# Altium PCB RHR075_GFC_ECAT_DNET_RS485_ALL_rev5.PcbDoc (part 3 of 4) (continued)
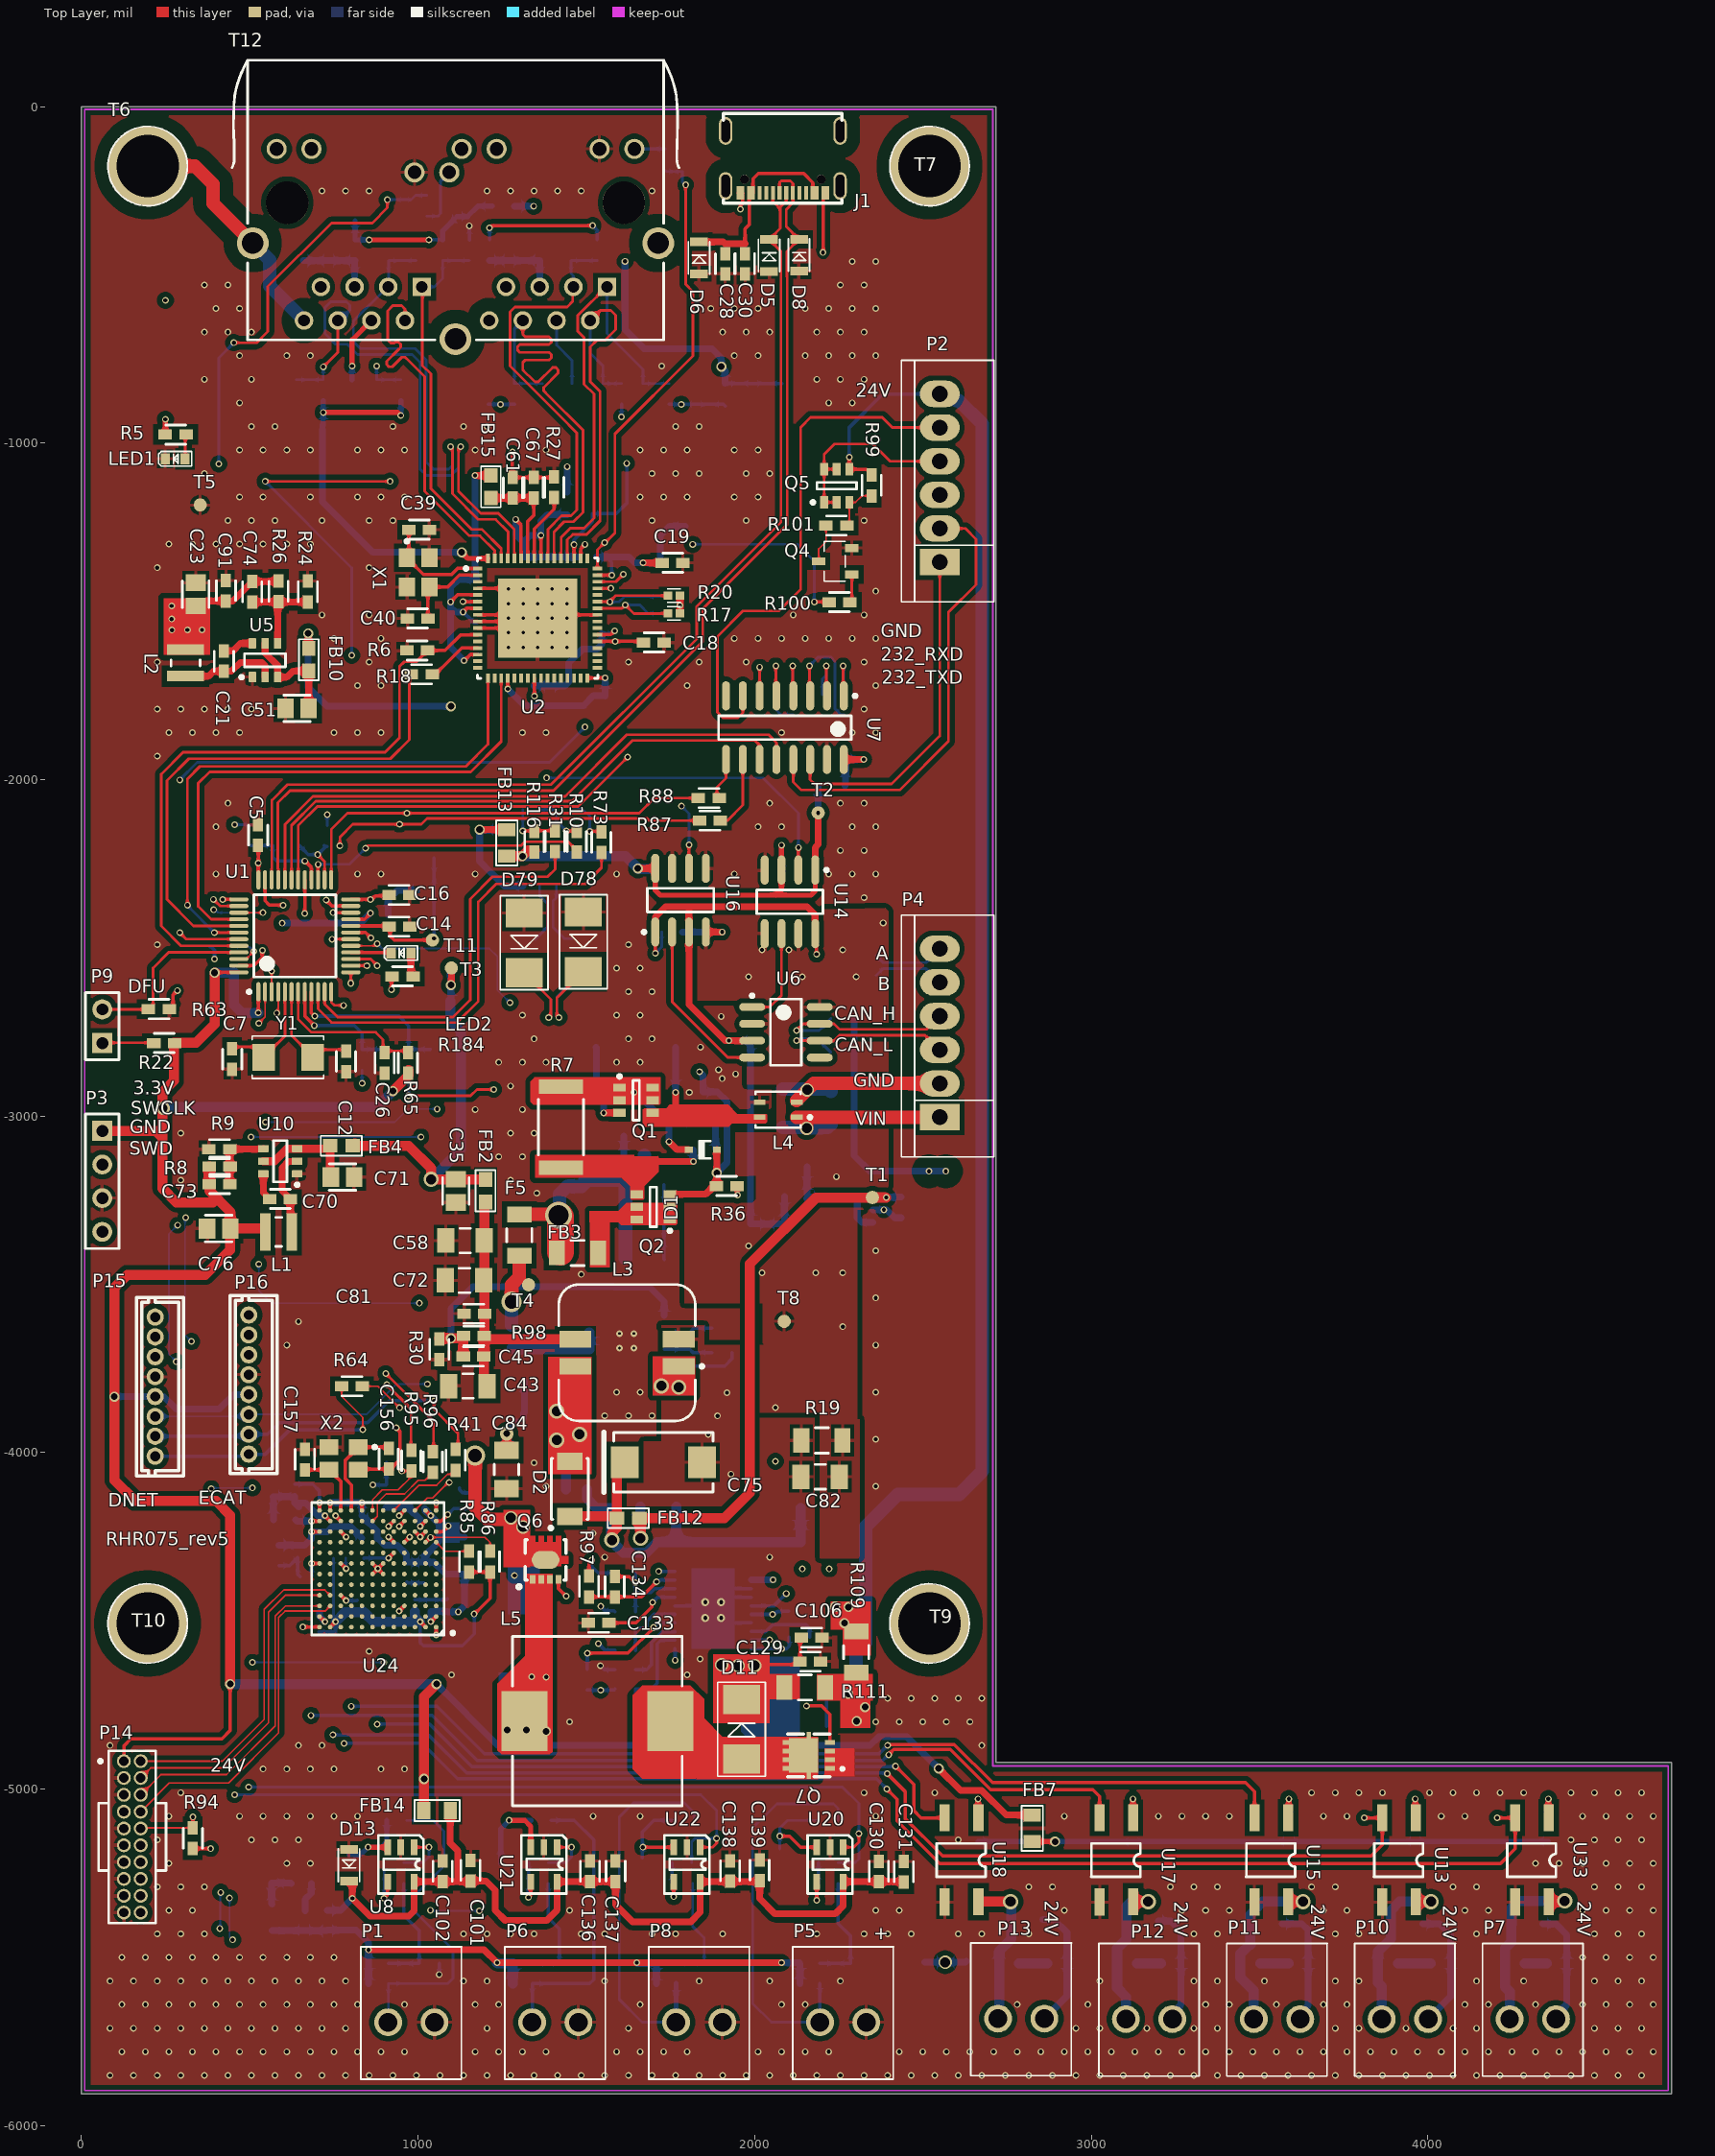
[diagram p0: Top Layer view]
## Nets (pads, with @x,y where several pads share a name; then routed paths per layer and width w, separated by ;. In a path a pad name is that pad's centre, name@x,y a point inside that pad or via, vN(x,y) a via of type N, cw(c..) or ccw(c..) an arc to the next point about the centre after c; other vN are vias at no path point) (continued)
  Bottom Layer w40: T12.S3@509.09,-405.99 559,-455.89 559,-533.45 T12.B8@661.46,-635.91
  other v1: 2518,-3164
ECAT_3.3V: C18.1 C19.1 C20.1 C22.1 C23.1 C52.1 C56.1 C74.1 C77.1 C78.1 C91.1 FB15.1 L2.2 R17.2 R20.2 R26.2 U2.5 U2.7 U2.14 U2.20 U2.32 U2.37 U2.47 U3.8 | length 3892.7
  Top Layer w10: v1(1097,-1472) 1117.74,-1451.26 1177.61,-1451.26 U2.5@1177.92,-1451.57 ; v1(1134,-1502) 1145.06,-1490.94 U2.7@1177.92,-1490.94 ; v1(1137,-1647) 1155.26,-1628.74 U2.14@1177.92,-1628.74 ; v1(1266.9,-1730.9) U2.20@1266.9,-1698.03 ; U2.32@1503.12,-1698.03 v1(1556.03,-1698.03) ; U2.37@1533.04,-1589.37 v1(1586,-1589.37) 1667.39,-1589.37 C18.1@1670.5,-1592.47 ; U2.47@1533.04,-1392.52 v1(1575.48,-1392.52)
  Top Layer w20: C23.1@353.94,-1469.45 C91.1@429.48,-1469.45 449.51,-1469.45 C74.1@507.48,-1411.48 583.48,-1411.48 R26.2@585.48,-1409.48 ; v1(1169.52,-1096.48) FB15.1@1216.48,-1096.48 ; v1(1669,-1356) C19.1@1726.02,-1356 ; R17.2@1778.52,-1506.47 v1(1778.52,-1483) R20.2@1778.52,-1453.47
  Mid-Layer 1 w20: v1(358,-1555) 376,-1555 459,-1472 v1(1097,-1472) ; v1(1137,-1647) 1220.9,-1730.9 v1(1266.9,-1730.9) ; v1(1556.03,-1698.03) 1586,-1668.06 v1(1586,-1589.37) 1672.15,-1589.37 v1(1778.52,-1483) 1778.52,-1465.52 v1(1669,-1356)
  Bottom Layer w10: v1(1134,-1502) 1166.47,-1534.47 C20.1@1175.5,-1534.47 ; v1(1137,-1647) 1157,-1627 C56.1@1180.02,-1627 ; 1566.79,-1345.79 1575.48,-1354.48 v1(1575.48,-1392.52)
  Bottom Layer w20: 1106.5,-1496.5 1112,-1502 v1(1134,-1502) ; v1(1137,-1647) 1097,-1607 v1(1097,-1472) 1097,-1429 1120.53,-1405.47 C77.1@1175.5,-1405.47 1169.52,-1399.49 v1(1169.52,-1096.48) ; v1(1266.9,-1730.9) 1316,-1780 1493,-1780 ; 1493,-1779 1522,-1750 C52.1@1554,-1750 ; C78.1@1530.1,-1338.57 1626.57,-1338.57 1644,-1356 v1(1669,-1356) U3.8@1719.66,-1356 ; C52.1@1556.03,-1751.97 v1(1556.03,-1698.03) ; U3.8@1720.13,-1356.47 1720.13,-1273.87 1746.53,-1247.47 C22.1@1793.5,-1247.47
  other v1: 269,-1556 315,-1555 268,-1523 268,-1484
EESCL: R20.1 U2.43 U3.6 | length 373.4
  Top Layer w8: U2.43@1533.04,-1471.26 1569.26,-1471.26 1587.04,-1453.47 R20.1@1742.46,-1453.47
  Bottom Layer w8: v1(1570,-1472) 1597,-1472 1612.53,-1456.47 U3.6@1720.13,-1456.47
EESDA: R17.1 U2.42 U3.5 | length 338.8
  Top Layer w8: U2.42@1533.04,-1490.94 1533.1,-1491 1606,-1491 v1(1616,-1481) 1641.47,-1506.47 R17.1@1742.46,-1506.47
  Bottom Layer w8: v1(1616,-1481) 1659,-1481 1684.47,-1506.47 U3.5@1720.13,-1506.47
ERR: P16.2 U1.18 | length 1337.6
  Top Layer w8: v1(744.65,-2474.35) U1.18@800.34,-2474.35
  Mid-Layer 1 w8: P16.2@497,-3650.37 501.84,-3650.37 712,-3440.21 712,-2567.65 744.65,-2535 v1(744.65,-2474.35)
  Bottom Layer w8: v1@744.29,-2474 v1(744.65,-2474.35)
GPIO_EXTENDER_INT: P15.6 P16.6 U1.3 | length 2692.3
  Top Layer w5: U1.3@565.1,-2630.85 v1@565.1,-2569.1
  Mid-Layer 1 w5: v1(504,-3062) 504,-2682 565,-2621 v1(565,-2569) ; v1(1009,-3062) 1009,-3095 989,-3115 989,-3304 1027.86,-3342.86 v1(1027.86,-3796.14)
  Bottom Layer w5: P15.6@219,-3892.59 491,-3892.59 P16.6@497,-3886.59 846.41,-3886.59 936.86,-3796.14 v1(1027.86,-3796.14) ; v1(504,-3062) v1(1009,-3062)
GPIO_EXTENDER_INT2: U1.4 U24.C4 | length 2572.4
  Top Layer w5: v1(580,-2694) 584.79,-2689.21 U1.4@584.79,-2630.85
  Top Layer w10: v4(943.73,-4471.24) U24.C4@959.48,-4455.5
  Mid-Layer 1 w5: v1(547,-3018) 547,-2727 v1(580,-2694) ; v4(943.73,-4471.24) 943.73,-4448.41 965,-4427.14 965,-4410 1064,-4311 1064,-4188 1015,-4139 1015,-3841 1052,-3804 1052,-3347 1002,-3297 1002,-3121 1057,-3066 v1(1057,-2979)
  Bottom Layer w5: v1(547,-3018) 931,-3018 970,-2979 v1(1057,-2979)
I2C_SCL: P15.8 P16.8 R32.2 R64.1 | length 2665
  Top Layer w5: R64.1@763,-3813.02 R64.1@773.02,-3803 773.02,-3833.02 836,-3896 v1(836,-3932)
  Mid-Layer 1 w5: P15.8@219,-4010.7 326,-4010.7 345,-3991.7 345,-3688 v1(327,-3670) ; v1(310,-3302) 326,-3302 364,-3264 364,-2416 v1(393,-2387)
  Bottom Layer w5: v1(310,-3302) 307.5,-3304.5 307.5,-3650.5 v1(327,-3670) ; v1(393,-2387) 397.06,-2387 405.67,-2395.61 R32.2@436.68,-2395.61
  Bottom Layer w10: P15.8@219,-4010.7 491,-4010.7 P16.8@497,-4004.7 546.3,-4004.7 619,-3932 v1(836,-3932)
I2C_SDA: P15.7 P16.7 R11.1 R41.1 | length 2717
  Top Layer w8: v1(1048,-3846) 1048,-3871.63 1119,-3942.63 R41.1@1119,-3991.02
  Mid-Layer 1 w5: P15.7@219,-3951.63 263.37,-3951.63 306,-3909 306,-3754 v1(282,-3730) ; v1@286,-3326 v1(286,-3324) 354,-3324 421.5,-3256.5 421.5,-2559.5 v1(395.41,-2533.41) ; v1(1048,-3846) v1@1053,-3851
  Bottom Layer w5: v1(282,-3730) 260,-3708 260,-3350 v1(286,-3324)
  Bottom Layer w10: P15.7@219,-3951.63 491,-3951.63 P16.7@497,-3945.63 553.37,-3945.63 588,-3911 850,-3911 915,-3846 v1(1048,-3846) ; R11.1@382.03,-2497 385.41,-2497 395.41,-2507 v1(395.41,-2533.41)
ISO_PGND: C33.2 C42.2 C46.2 C47.2 C50.2 C53.2 C54.2 C57.2 C63.2 C64.2 C66.2 C69.2 C75.2 C82.1 L3.2 R19.2 T8.1 U6.2 U6.8 U12.2 U14.5 U14.7 U16.4 | length 262.8
  Top Layer w20: U16.4@1855,-2453 v1(1904,-2453)
  Bottom Layer w20: C63.2@1785,-2453 v1(1904,-2453) ; U12.2@2350.93,-3278.5 2392.7,-3278.5 2416.7,-3302.5 C47.2@2435.75,-3302.5
  other v1: 2142,-4346 2222,-4346 1930,-4064 2062,-4026 1862,-3946 1890,-3891 2062,-3866 1918,-3822 2262,-3626 2022,-3466 2182,-3466 2262,-3466 1982,-3386 2384,-3278.5 2243,-3180 1982,-2586 2142,-2586 2302,-2586 2022,-2506 2102,-2506 2262,-2506 2382,-2426
JT_TCK: P14.4 U24.D12 | length 966.2
  Top Layer w5: P14.4@176,-4967 206,-4937 422,-4937 556,-4803 556,-4489 ; 556,-4506 556,-4489 ; U24.D12@707.51,-4424 606,-4424 556,-4474 556,-4489
JT_TDI: P14.8 U24.C11 | length 1030.2
  Top Layer w5: P14.8@176,-5067 261,-4982 437,-4982 586,-4833 586,-4515 ; 586,-4528 586,-4515 ; U24.C11@739.01,-4455.5 723.5,-4471 605,-4471 586,-4490 586,-4515
JT_TDO: P14.6 U24.C12 | length 955.1
  Top Layer w5: P14.6@176,-5017 236,-4957 431,-4957 576,-4812 576,-4485.86 606.36,-4455.5 U24.C12@707.51,-4455.5
JT_TMS: P14.2 U24.D11 | length 972
  Top Layer w5: P14.2@176,-4917 419,-4917 543,-4793 543,-4466 601,-4408 723.01,-4408 U24.D11@739.01,-4424
JT_TRST: R91.1 U24.D10 | length 55.3
  Top Layer w10: U24.D10@770.5,-4424 v4(786.25,-4439.75)
  Bottom Layer w10: v4(786.25,-4439.75) 818.22,-4439.75 R91.1@819,-4438.97
MLED0: R74.2 R75.1 U2.48 | length 1365.3
  Top Layer w8: U2.48@1533.04,-1372.83 1533.04,-1317.15 v1(1554.18,-1296.01) ; v1@1555.08,-1296.92 1585,-1267 1585,-973 1817,-741 1817,-550 1795,-528 v1(1795,-233)
  Bottom Layer w8: R75.1@1733,-187.98 1738.05,-193.03 R74.2@1785,-193.03 1785,-223 v1(1795,-233)
MLED0_D: P15.1 U24.L10 | length 2194.1
  Top Layer w10: v4(754.76,-4187.78) U24.L10@770.5,-4203.53
  Mid-Layer 1 w5: P15.1@219,-3597.31 269.31,-3597.31 301,-3629 366,-3629 386,-3649 v1(386,-4107) ; v1(508,-4623) v1(508,-4105) ; v4(754.76,-4187.78) 754.76,-4262.76 898,-4406 v1(898,-4623)
  Bottom Layer w5: v1(386,-4107) 388,-4105 v1(508,-4105) ; v1(508,-4623) v1(898,-4623)
MLED1: R66.2 R72.1 U2.46 | length 2739.5
  Top Layer w8: v1(453,-702) 520.39,-702 554,-668.39 554,-535 743,-346 864,-346 909,-301 v1(909,-277) ; U2.46@1533.04,-1412.2 1587.8,-1412.2 v1(1610,-1390)
  Mid-Layer 1 w8: v1(408,-1062) 691,-1062 ; 661,-1062 691,-1062 ; v1(1610,-1390) 1610,-1322 1610,-1288 1384,-1062 691,-1062
  Bottom Layer w8: v1(408,-1062) 408,-747 v1(453,-702) ; v1(909,-277) R66.2@959.46,-276.97 980.03,-276.97 992.98,-264.02 R72.1@1026.46,-264.02
MMIO2: U24.M6
MMIO3: U24.L6
MOD_GREEN: P15.2 U24.K10 U24.L4 | length 4096.3
  Top Layer w10: U24.K10@770.5,-4235.02 v4(786.25,-4250.77) ; v4(943.73,-4219.28) U24.L4@959.48,-4203.53
  Mid-Layer 1 w5: P15.2@219,-3656.37 136,-3739.37 136,-4115 367,-4346 367,-4835 414,-4882 v1(414,-5307) ; v1@409,-5414 1069,-5414 1117,-5366 1117,-4812 916,-4611 916,-4440 943.73,-4412.27 943.73,-4271.27 ; v4(786.25,-4250.77) 816.48,-4281 934,-4281 943.73,-4271.27 ; v4(943.73,-4219.28) 943.73,-4271.27
  Bottom Layer w5: v1(411,-5414) 412.5,-5412.5 412.5,-5308.5 v1(414,-5307)
MOD_RED: P15.3 U24.M4 | length 3912.5
  Top Layer w10: v4(943.73,-4187.78) U24.M4@959.48,-4172.03
  Mid-Layer 1 w5: P15.3@219,-3715.41 160,-3774.41 160,-4109 386,-4335 386,-4826 426,-4866 426,-5285 440,-5299 v1(440,-5324) ; v1@449,-5447.56 1064.44,-5447.56 1135,-5377 1135,-5368 1135,-5348 1135,-4815 926,-4606 926,-4452 955,-4423 955,-4246 962,-4239 962,-4206.05 v4(943.73,-4187.78)
  Bottom Layer w5: v1(440,-5324) 440,-5439 v1(449,-5448)
NetC7_1: C7.1 U1.5 Y1.1 | length 331.8
  Top Layer w8: C7.1@443,-2794.51 510,-2794.51 Y1.1@541,-2825.51 604.47,-2762.04 U1.5@604.47,-2630.85
NetC12_1: C12.1 U1.6 Y1.2 | length 334.4
  Top Layer w8: U1.6@624.16,-2630.85 624.16,-2760.16 686.67,-2822.67 Y1.2@686.67,-2825.51 709.67,-2802.51 C12.1@791,-2802.51
NetC13_1: C13.1 U4.5 | length 142
  Bottom Layer w20: C13.1@911.57,-2401.49 911.57,-2356.43 937.89,-2330.11 965,-2330.11 U4.5@997.57,-2330.11
NetC21_1: C21.1 U5.6 | length 93.8
  Top Layer w20: C21.1@423.48,-1617.48 450.52,-1617.48 472.73,-1595.27 U5.6@508.08,-1595.27
NetC21_2: C21.2 L2.1 U5.2 | length 291
  Top Layer w20: L2.1@309.48,-1692.84 378.16,-1692.84 392.53,-1678.47 C21.2@423.48,-1678.47 445.53,-1678.47 472,-1652 536,-1652 545.48,-1661.48 U5.2@545.48,-1695.67
NetC25_1: C25.1 U11.7 | length 145.2
  Bottom Layer w10: U11.7@1731.22,-3693 1807,-3693 1816.54,-3702.54 C25.1@1872.49,-3702.54
NetC25_2: C25.2 L3.1 U11.8 | length 291.2
  Top Layer w30: v5(1774.54,-3805.54) L3.1@1774.54,-3743.87
  Bottom Layer w10: U11.8@1731.22,-3743 1911,-3743 1933.47,-3720.53 C25.2@1933.47,-3702.54
  other v5: 1723,-3802
NetC26_2: C26.2 R65.2 U1.7 | length 474.2
  Top Layer w8: U1.7@643.84,-2630.85 643.84,-2711.84 683,-2751 874,-2751 896,-2773 896,-2806.46 977.31,-2806.46 R65.2@978,-2805.77
NetC32_1: C32.1 R28.1 | length 57
  Bottom Layer w20: R28.1@1611.02,-3116.51 C32.1@1611.02,-3059.51
NetC41_1: C41.1 FB11.2 U11.2 U11.3 | length 285
  Bottom Layer w20: C41.1@1366.35,-3688.44 C41.1@1368,-3690.09
  Bottom Layer w30: FB11.2@1278,-3688.44 1282.56,-3693 U11.2@1508.78,-3693 U11.3@1508.78,-3643
NetC44_1: C44.1 D2.2 L3.4 | length 88.7
  Bottom Layer w30: v5(1480,-3946) 1500.98,-3966.98 C44.1@1500.98,-4026
  other v5: 1412,-3963 1412,-3877
NetC44_2: C44.2 R57.2 | length 83.5
  Bottom Layer w30: R57.2@1440.02,-4109.49 C44.2@1440,-4026
NetC45_2: C45.2 R30.2 R98.1 U11.5 | length 933.7
  Top Layer w30: R30.2@1063.54,-3660.46 v2(1098,-3660.46) 1134.54,-3660.46 1134.54,-3680 C45.2@1134.53,-3714.46
  Bottom Layer w20: v2(1098,-3660.46) 1098,-3572 1163,-3507 1580,-3507 1581,-3508 1688,-3508 1731.22,-3551.22 U11.5@1731.22,-3593
NetC50_1: C50.1 FB5.1 U12.5 | length 188.3
  Bottom Layer w20: FB5.1@2154,-3245 FB5.1@2157.9,-3241.1 ; C50.1@2155.45,-3150 FB5.1@2155.45,-3238.65 FB5.1@2157.9,-3241.1 ; U12.5@2248.57,-3241.1 FB5.1@2157.9,-3241.1
NetC51_1: C51.1 FB10.2 U5.3 U5.5 | length 327.4
  Top Layer w20: U5.5@545.48,-1595.27 545.48,-1623.48 582.88,-1660.88 U5.3@582.88,-1695.67 610.33,-1695.67 628.6,-1677.4 FB10.2@675.48,-1677.4 675.48,-1787.92 C51.1@674.93,-1788.47
NetC68_1: C68.1 U11.6 | length 146.4
  Bottom Layer w10: U11.6@1731.22,-3643 1807,-3643 1819.46,-3630.54 C68.1@1872.49,-3630.54
NetC70_1: C70.1 U10.6 | length 82.6
  Top Layer w20: U10.6@540.5,-3171.72 540.5,-3227.11 C70.1@559.71,-3246.32
NetC70_2: C70.2 L1.1 U10.2 | length 255
  Top Layer w20: L1.1@625.07,-3344.32 620.7,-3339.95 C70.2@620.7,-3246.32 596.7,-3222.32 596.7,-3153.01 615.39,-3134.32 U10.2@640.9,-3134.32
NetC71_1: C71.1 FB4.2 U10.3 U10.5 | length 311.3
  Top Layer w25: U10.5@540.5,-3134.32 573.39,-3134.32 610.79,-3096.92 U10.3@640.9,-3096.92 730.17,-3096.92 FB4.2@738.77,-3088.32 738.77,-3178.84 C71.1@741.25,-3181.32
NetC73_2: C73.2 R8.1 R9.2 U10.4 | length 204.4
  Top Layer w20: C73.2@440.7,-3202.32 R9.2@440.68,-3098.32 539.1,-3098.32 U10.4@540.5,-3096.92
NetC74_2: C74.2 R24.2 R26.1 U5.4 | length 289.9
  Top Layer w20: C74.2@507.48,-1472.47 R24.2@672.46,-1472.47 ; U5.4@582.88,-1595.27 582.88,-1474.05 R26.1@585.48,-1471.45
NetC79_1: C79.1 L4.4 Q1.4 | length 198
  Top Layer w20: 1765,-2993 v1(1765,-2930)
  Bottom Layer w20: v1(1765,-2930) C79.1@1765,-2795
NetC79_2: C79.2 D1.1 Q1.3 Q2.3 Q9.3 R36.2 | length 1257.4
  Top Layer w20: v1(1551.4,-2990.4) Q1.3@1598.79,-2990.4 ; Q2.3@1748.21,-3232.6 1854.4,-3232.6 1887.54,-3199.46 v2(1887.54,-3169) D1.1@1887.54,-3100
  Mid-Layer 1 w20: v1(1551.4,-2990.4) 1691.1,-2990.4 1715,-2966.5 1715,-2891 1738,-2868 v1(1836,-2868)
  Bottom Layer w20: C79.2@1528.78,-2795 1530.71,-2796.93 1530.71,-2911.71 1551.4,-2932.4 v1(1551.4,-2990.4) ; v1(1836,-2868) 1847,-2879 Q9.3@1847,-2927.85 1889.85,-2927.85 1918.6,-2956.6 1918.6,-3137.93 v2(1887.54,-3169)
NetC86_1: C86.1 U9.18 | length 211.7
  Bottom Layer w10: U9.18@1990.12,-4531.98 2033.02,-4531.98 2053,-4512 2153,-4512 2163.98,-4522.98 C86.1@2163.98,-4548
NetC86_2: C86.2 D12.2 L5.1 Q6.1 Q6.2 Q6.3 U9.20 | length 877.6
  Mid-Layer 1 w10: v1(1381,-4667) 1546,-4667 1630,-4583 v1(2080,-4583)
  Bottom Layer w10: U9.20@1990.12,-4583.16 2095.84,-4583.16 2103,-4576 C86.2@2103,-4548
  other v1: 1338,-4666
  other v2: 1380,-4828 1265,-4825 1322,-4824
NetC89_2: C89.2 R12.1 | length 97.9
  Bottom Layer w30: C89.2@3911.06,-5518.49 R12.1@4009,-5518.49
NetC90_2: C90.2 R14.1 | length 83.9
  Bottom Layer w30: C90.2@3502,-5518.49 R14.1@3585.94,-5518.49
NetC93_2: C93.2 R16.1 | length 71.9
  Bottom Layer w30: C93.2@3136.06,-5518.49 R16.1@3208,-5518.49
NetC94_2: C94.2 R23.1 | length 82.9
  Bottom Layer w30: C94.2@2786,-5518.49 R23.1@2868.94,-5518.49
NetC96_1: C96.1 U7.2 | length 180.9
  Top Layer w8: v1(2213,-1662) 2213,-1749.51 U7.2@2215,-1751.51
  Bottom Layer w8: C96.1@2202,-1748 2202,-1701 2213,-1690 v1(2213,-1662)
NetC97_1: C97.1 U7.4 | length 176.3
  Top Layer w8: v1(2113,-1662) 2113,-1749.51 U7.4@2115,-1751.51
  Bottom Layer w8: C97.1@2113,-1748 v1(2113,-1662)
NetC97_2: C97.2 U7.5 | length 276.6
  Top Layer w8: v1(2063,-1662) 2063,-1749.51 U7.5@2065,-1751.51
  Bottom Layer w8: v1(2063,-1662) 2063,-1792 2078.06,-1807.06 C97.2@2113,-1807.06
NetC98_2: C98.2 R141.1 | length 65.9
  Bottom Layer w30: C98.2@4288,-5518.49 R141.1@4353.94,-5518.49
NetC99_1: C99.1 U7.6 | length 168.8
  Top Layer w8: U7.6@2015,-1751.51 v1(2015,-1666)
  Bottom Layer w8: C99.1@2012,-1748 2015,-1745 v1(2015,-1666)
NetC117_1: C117.1 T12.B4 | length 199.9
  Top Layer w15: v1(804,-771) 804,-693.36 T12.B4@861.46,-635.91
  Bottom Layer w15: C117.1@804,-812.02 v1(804,-771)
NetC119_1: C119.1 T12.A4 | length 206.2
  Bottom Layer w8: T12.A4@1411.46,-635.91 1411.46,-709 1457.46,-755 C119.1@1457.46,-823.02
NetC132_1: C132.1 R54.2 U9.5 | length 204.7
  Bottom Layer w10: R54.2@1646.98,-4587.71 1646,-4586.73 C132.1@1646,-4530.29 1654.25,-4522.04 1673.96,-4522.04 1680.5,-4515.5 ; 1680,-4515 1680,-4501 1700.21,-4480.79 U9.5@1763.88,-4480.79
NetC133_1: C133.1 U9.7 | length 235.6
  Top Layer w10: C133.1@1566.98,-4506 1648,-4506 1695.32,-4458.68 1695.32,-4446.68 v1(1697,-4445)
  Bottom Layer w10: v1(1697,-4445) 1712.39,-4429.61 U9.7@1763.88,-4429.61
NetC134_1: C134.1 R97.1 U9.9 | length 276.8
  Top Layer w10: R97.1@1508,-4428.98 1664.02,-4428.98 v1(1709,-4384)
  Bottom Layer w10: v1(1709,-4384) 1714.57,-4378.43 U9.9@1763.88,-4378.43
NetC134_2: C134.2 C140.2 R107.1 R108.2 U9.8 | length 305.4
  Top Layer w10: C134.2@1584.53,-4368.46 1627.44,-4368.46 v1(1645.53,-4386.54)
  Bottom Layer w10: C140.2@1646,-4358 1646,-4471.87 R108.2@1646.98,-4472.86 ; R107.1@1646.98,-4415.43 1691.57,-4415.43 1702.98,-4404.02 U9.8@1763.88,-4404.02
NetC140_1: C140.1 R97.2 | length 146.2
  Top Layer w10: R97.2@1508,-4367.02 1508,-4328 v1(1516,-4320)
  Bottom Layer w10: v1(1516,-4320) 1516,-4339 1535,-4358 C140.1@1585.02,-4358
NetC144_1: C144.1 C145.1 FB9.2 U24.L11 | length 299
  Top Layer w10: v4(723.26,-4187.78) U24.L11@739.01,-4203.53
  Bottom Layer w20: FB9.2@570.07,-4200 570.07,-4132 569,-4130.93 C145.1@634,-4130.93 ; C145.1@634,-4130.03 C145.1@634,-4130.93 ; 646.1,-4162.1 634,-4150 ; v4(723.26,-4187.78) 723.01,-4188.03 703.84,-4188.03 665.81,-4150 634,-4150 ; 634,-4150 C145.1@634,-4130.93
NetC146_1: C146.1 FB6.1 U24.L2 | length 161.5
  Top Layer w10: v4(1006.72,-4219.28) U24.L2@1022.47,-4203.53
  Bottom Layer w20: FB6.1@905,-4163 905.22,-4162.78 954.09,-4162.78 954.31,-4163 971.03,-4163 C146.1@972,-4162.03 972,-4164.15 1006.72,-4198.88 v4(1006.72,-4219.28)
NetC147_1: C147.1 C148.1 FB18.2 U24.K12 | length 319.5
  Top Layer w10: v1(683.98,-4235.02) U24.K12@707.51,-4235.02
  Bottom Layer w10: C148.1@641.05,-4275.02 C148.1@642,-4275.97
  Bottom Layer w20: C147.1@587,-4275.02 C148.1@641.05,-4275.02 ; C148.1@642,-4275.97 663.03,-4275.97 683.98,-4255.02 v1(683.98,-4235.02) 729.98,-4235.02 745.72,-4219.28 798.35,-4219.28 FB18.2@833,-4253.93
NetC161_1: C161.1 U7.1 | length 177.2
  Top Layer w8: v1(2263,-1662) 2263,-1749.51 U7.1@2265,-1751.51
  Bottom Layer w8: v1(2263,-1662) 2265,-1664 C161.1@2265,-1748
NetC161_2: C161.2 U7.3 | length 355.7
  Top Layer w8: v1(2163,-1662) 2163,-1749.51 U7.3@2165,-1751.51
  Bottom Layer w8: v1(2163,-1662) 2188,-1637 2227,-1637 2239,-1649 2239,-1790 2256.06,-1807.06 C161.2@2265,-1807.06
NetD1_2: D1.2 Q1.1 Q1.2 Q1.5 Q1.6 Q9.2 R7.2 | length 385.8
  Top Layer w20: v1(1642,-2929) 1689,-2929 1694,-2934 ; v1(1746,-3076) 1770,-3100 D1.2@1804.46,-3100
  Bottom Layer w20: v1(1642,-2929) 1647,-2929 1746,-3028 ; v1(1746,-3076) 1746,-3028 ; Q9.2@1809.6,-3014.46 1757.72,-3014.46 1746,-3026.18 1746,-3028
NetD11_1: D11.1 L5.2 Q7.5 Q7.6 Q7.7 Q7.8
NetD12_1: D12.1 R106.1 U9.12 | length 873.2
  Mid-Layer 1 w20: v1(1287,-4365) 1577,-4365 1620,-4322 1998.14,-4322 v1(2054.57,-4378.43)
  Bottom Layer w20: U9.12@1990.12,-4378.43 v1(2054.57,-4378.43)
NetF7_1: F7.1 U19.7 | length 182.8
  Bottom Layer w8: F7.1@1348.31,-2474.56 1384,-2438.87 1384,-2368 1361.31,-2345.31 U19.7@1361.31,-2315.94
NetF8_1: F8.1 U19.6 | length 198.5
  Bottom Layer w8: U19.6@1411.31,-2315.94 1411.31,-2350.69 1401,-2361 1401,-2439 1434.56,-2472.56 F8.1@1458.31,-2472.56
NetFB3_1: FB3.1 Q2.1 Q2.2 Q2.5 Q2.6
NetL7_1: L7.1 U24.K1 | length 104.7
  Top Layer w10: U24.K1@1053.97,-4235.02 1072.98,-4235.02 v1(1090,-4218)
  Bottom Layer w20: v1(1090,-4218) 1122.88,-4250.88 L7.1@1138,-4250.88
NetLED1_1: LED1.1 R5.1 | length 74.2
  Top Layer w8: LED1.1@308,-1047 308.51,-1046.49 R5.1@308.51,-973
NetLED2_1: LED2.1 R184.1 | length 71.4
  Top Layer w20: LED2.1@979,-2515.51 979,-2585.51 R184.1@980,-2586.51
NetLED2_2: LED2.2 U1.16 | length 120.3
  Top Layer w10: U1.16@800.34,-2513.72 918.16,-2513.72 LED2.2@919.94,-2515.51
NetP2_4: P2.4 Q5.1 Q5.2 Q5.5 Q5.6 | length 594.7
  Top Layer w8: Q5.2@2244,-1176.21 Q5.1@2206.6,-1176.21 Q5.6@2206.6,-1077.79 ; Q5.5@2244,-1077.79 Q5.6@2206.6,-1077.79 ; P2.4@2550,-1054 2402,-1054 2351,-1003 2237,-1003 2206.6,-1033.4 Q5.6@2206.6,-1077.79
NetP9_1: P9.1 R22.2 | length 154.4
  Top Layer w8: P9.1@62,-2783 63,-2782 R22.2@215.94,-2782
NetQ2_4: Q2.4 R7.1 R35.1 | length 202.5
  Top Layer w20: 1649,-3135.08 v1(1817.92,-3135.08)
  Bottom Layer w20: v1@1818.02,-3134.98 R35.1@1818.02,-3101.41
NetQ3_1: Q3.1 R104.2 R105.1 | length 123.2
  Bottom Layer w20: Q3.1@566,-5341.94 565,-5340.94 565,-5278.94 621.94,-5278.94 R104.2@623.94,-5280.94
NetQ4_1: Q4.1 R100.2 | length 84.8
  Top Layer w8: R100.2@2282.98,-1473 2289,-1466.98 Q4.1@2289,-1390.74
NetQ4_3: Q4.3 R101.2 | length 115.3
  Top Layer w5: Q4.3@2190.57,-1351.37 2190.57,-1314.43 2212.02,-1292.98 R101.2@2212.02,-1245
NetQ5_3: Q5.3 R99.2 R101.1 | length 146.4
  Top Layer w5: R101.1@2273.98,-1245 2281.4,-1237.58 Q5.3@2281.4,-1176.21 2299.79,-1176.21 2319.02,-1156.98 R99.2@2348,-1156.98
NetQ6_4: Q6.4 U9.19 | length 912.5
  Top Layer w10: Q6.4@1417.39,-4376.88 1417.39,-4404.39 v1(1440,-4427)
  Mid-Layer 1 w10: v1(1440,-4427) 1503.89,-4490.9 1742.89,-4490.9 1771,-4519 1956.16,-4519 2015.16,-4460 2060.28,-4460 2073,-4472.72 2073,-4528 v1(2044.72,-4556.28)
  Bottom Layer w10: U9.19@1990.12,-4557.57 2043.43,-4557.57 v1(2044.72,-4556.28) v1@2046,-4555
NetQ7_4: Q7.4 U9.15 | length 641.5
  Top Layer w10: v1(2154,-4753) 2199,-4753 2224,-4778 Q7.4@2224,-4861.4
  Mid-Layer 1 w10: v1(2094,-4419) 2154,-4479 v1(2154,-4753)
  Bottom Layer w10: U9.15@1990.12,-4455.2 2057.8,-4455.2 v1(2094,-4419)
NetQ9_1: Q9.1 R35.2 | length 82.5
  Bottom Layer w20: R35.2@1884.4,-3096.99 Q9.1@1884.4,-3014.46
NetR10_1: R10.1 U19.2 U19.3 | length 155.6
  Top Layer w8: v1(1441,-2153) R10.1@1470.87,-2153
  Bottom Layer w8: U19.2@1361.31,-2089.56 U19.3@1411.31,-2089.56 1411.31,-2123.31 v1(1441,-2153)
NetR11_2: R11.2 U1.46 | length 133.7
  Top Layer w5: U1.46@467.66,-2533.41 489.57,-2533.41 511.95,-2511.03 v1(511.95,-2509.95)
  Bottom Layer w5: R11.2@444,-2497 499,-2497 v1(511.95,-2509.95) v1@516,-2514
NetR13_1: R13.1 U13.1 | length 124.9
  Top Layer w15: v1(3963,-5029) 3963,-5083.51 U13.1@3965,-5085.51
  Bottom Layer w15: R13.1@3963,-5096.51 v1(3963,-5029)
NetR15_1: R15.1 U15.1 | length 124.9
  Top Layer w15: U15.1@3585,-5085.51 3587,-5083.51 v1(3587,-5029)
  Bottom Layer w15: R15.1@3587,-5096.51 v1(3587,-5029)
NetR18_2: R18.2 U2.13 | length 176.9
  Top Layer w10: R18.2@1033.53,-1687.47 1051.53,-1687.47 1129.95,-1609.05 U2.13@1177.92,-1609.05
NetR21_1: R21.1 U17.1 | length 124.4
  Top Layer w15: v1(3124,-5029) 3124,-5084.51 U17.1@3125,-5085.51
  Bottom Layer w15: R21.1@3124,-5096.51 v1(3124,-5029)
NetR25_2: R25.2 U9.4 | length 346
  Top Layer w10: v1(1503,-4596) 1624,-4596 v1(1700,-4520)
  Bottom Layer w10: R25.2@1503,-4644.02 v1(1503,-4596) ; v1(1700,-4520) 1713.61,-4506.39 U9.4@1763.88,-4506.39
NetR27_2: R27.2 U2.57 | length 205.1
  Top Layer w10: U2.57@1345.64,-1342.91 1345.32,-1342.59 1345.32,-1255.68 1404.48,-1196.52 R27.2@1404.48,-1162.47
NetR29_1: R29.1 U18.1 | length 124.4
  Top Layer w15: v1(2664,-5029) 2664,-5084.51 U18.1@2665,-5085.51
  Bottom Layer w15: R29.1@2664,-5096.51 v1(2664,-5029)
NetR31_1: R31.1 R116.1 U19.1 | length 160
  Top Layer w8: v1(1311.31,-2152.69) 1345.17,-2152.69 1346.31,-2151.56 1406.31,-2151.56 R31.1@1407.31,-2150.56
  Bottom Layer w8: v1(1311.31,-2152.69) U19.1@1311.31,-2089.56
NetR32_1: R32.1 U1.39 | length 113.5
  Top Layer w5: U1.39@467.66,-2395.61 v1(539.61,-2395.61) v1@540,-2396
  Bottom Layer w5: R32.1@498.65,-2395.61 v1(539.61,-2395.61)
NetR33_2: R33.2 R55.1 U9.2 | length 302.8
  Bottom Layer w10: R55.1@1646.98,-4760 R33.2@1646.98,-4702.57 1693.43,-4702.57 1711,-4685 1711,-4568.21 1721.64,-4557.57 U9.2@1763.88,-4557.57
NetR34_2: R34.2 R45.1 U20.4 | length 169.1
  Top Layer w10: v1(2184.63,-5330.37) U20.4@2184.63,-5275.18
  Bottom Layer w10: v1(2184.63,-5330.37) 2184.63,-5285.53 2189.16,-5281 R34.2@2189.16,-5218.33
NetR38_1: R38.1 R192.2 U8.4 | length 160.5
  Top Layer w8: v1(899.16,-5324.84) 909.63,-5314.37 U8.4@909.63,-5275.18
  Bottom Layer w8: v1(899.16,-5324.84) 899.16,-5281 R192.2@899.16,-5218.33
NetR39_1: R39.1 R40.1 U8.3 | length 250.3
  Top Layer w15: v1(851.18,-5172.82) U8.3@909.63,-5172.82
  Bottom Layer w15: R40.1@795,-5195 829,-5195 v1(851.18,-5172.82) 891.18,-5172.82 907.16,-5156.84 R39.1@907.16,-5093
NetR41_2: R41.2 U24.M5 | length 240.3
  Top Layer w5: U24.M5@927.98,-4172.03 1003.02,-4097 1055.49,-4097 1088.25,-4064.25 1107.74,-4064.25 R41.2@1119,-4052.98
NetR46_1: R46.1 R47.1 U20.3 | length 308.9
  Top Layer w10: v1(2075,-5140) 2104,-5140 2136.82,-5172.82 U20.3@2184.63,-5172.82
  Bottom Layer w8: R47.1@2075,-5178 v1(2075,-5140) 2075,-5116 2098,-5093 R46.1@2189.16,-5093
NetR49_2: R49.2 R56.1 U21.4 | length 152.9
  Top Layer w10: v1(1328.15,-5321.85) 1334.63,-5315.37 U21.4@1334.63,-5275.18
  Bottom Layer w10: v1(1328.15,-5321.85) 1328.15,-5281 R49.2@1328.15,-5218.33
NetR50_1: R50.1 U9.3 | length 202.4
  Bottom Layer w10: R50.1@1646.98,-4645.14 1678.86,-4645.14 1694,-4630 1694,-4564 1725.76,-4532.24 1763.62,-4532.24 U9.3@1763.88,-4531.98
NetR51_2: R51.2 R62.1 U22.4 | length 148.5
  Top Layer w10: U22.4@1759.63,-5275.18 v1(1759.63,-5319.63) v1@1760,-5320
  Bottom Layer w10: R51.2@1754.16,-5218.33 1754.16,-5278.16 1757,-5281 1759.63,-5283.63 v1(1759.63,-5319.63)
NetR60_1: R60.1 R61.1 U21.3 | length 352.6
  Top Layer w15: v1(1271,-5093) 1317,-5093 1334.63,-5110.63 U21.3@1334.63,-5172.82
  Bottom Layer w15: R61.1@1246,-5222 1246,-5147 ; 1246,-5162.02 1246,-5118 v1(1271,-5093) 1305.16,-5093 R60.1@1336.15,-5093
NetR64_2: R64.2 U24.L5 | length 533.8
  Top Layer w5: R64.2@834.98,-3803 881,-3803 v1(945,-3867)
  Top Layer w10: v4(912.24,-4219.28) U24.L5@927.98,-4203.53
  Mid-Layer 1 w5: v4(912.24,-4219.28) 912.24,-4170.7 934.53,-4148.41 934.53,-3973.47 956,-3952 956,-3878 v1(945,-3867)